# KiCad board DCDC_converter.kicad_pcb (continued)
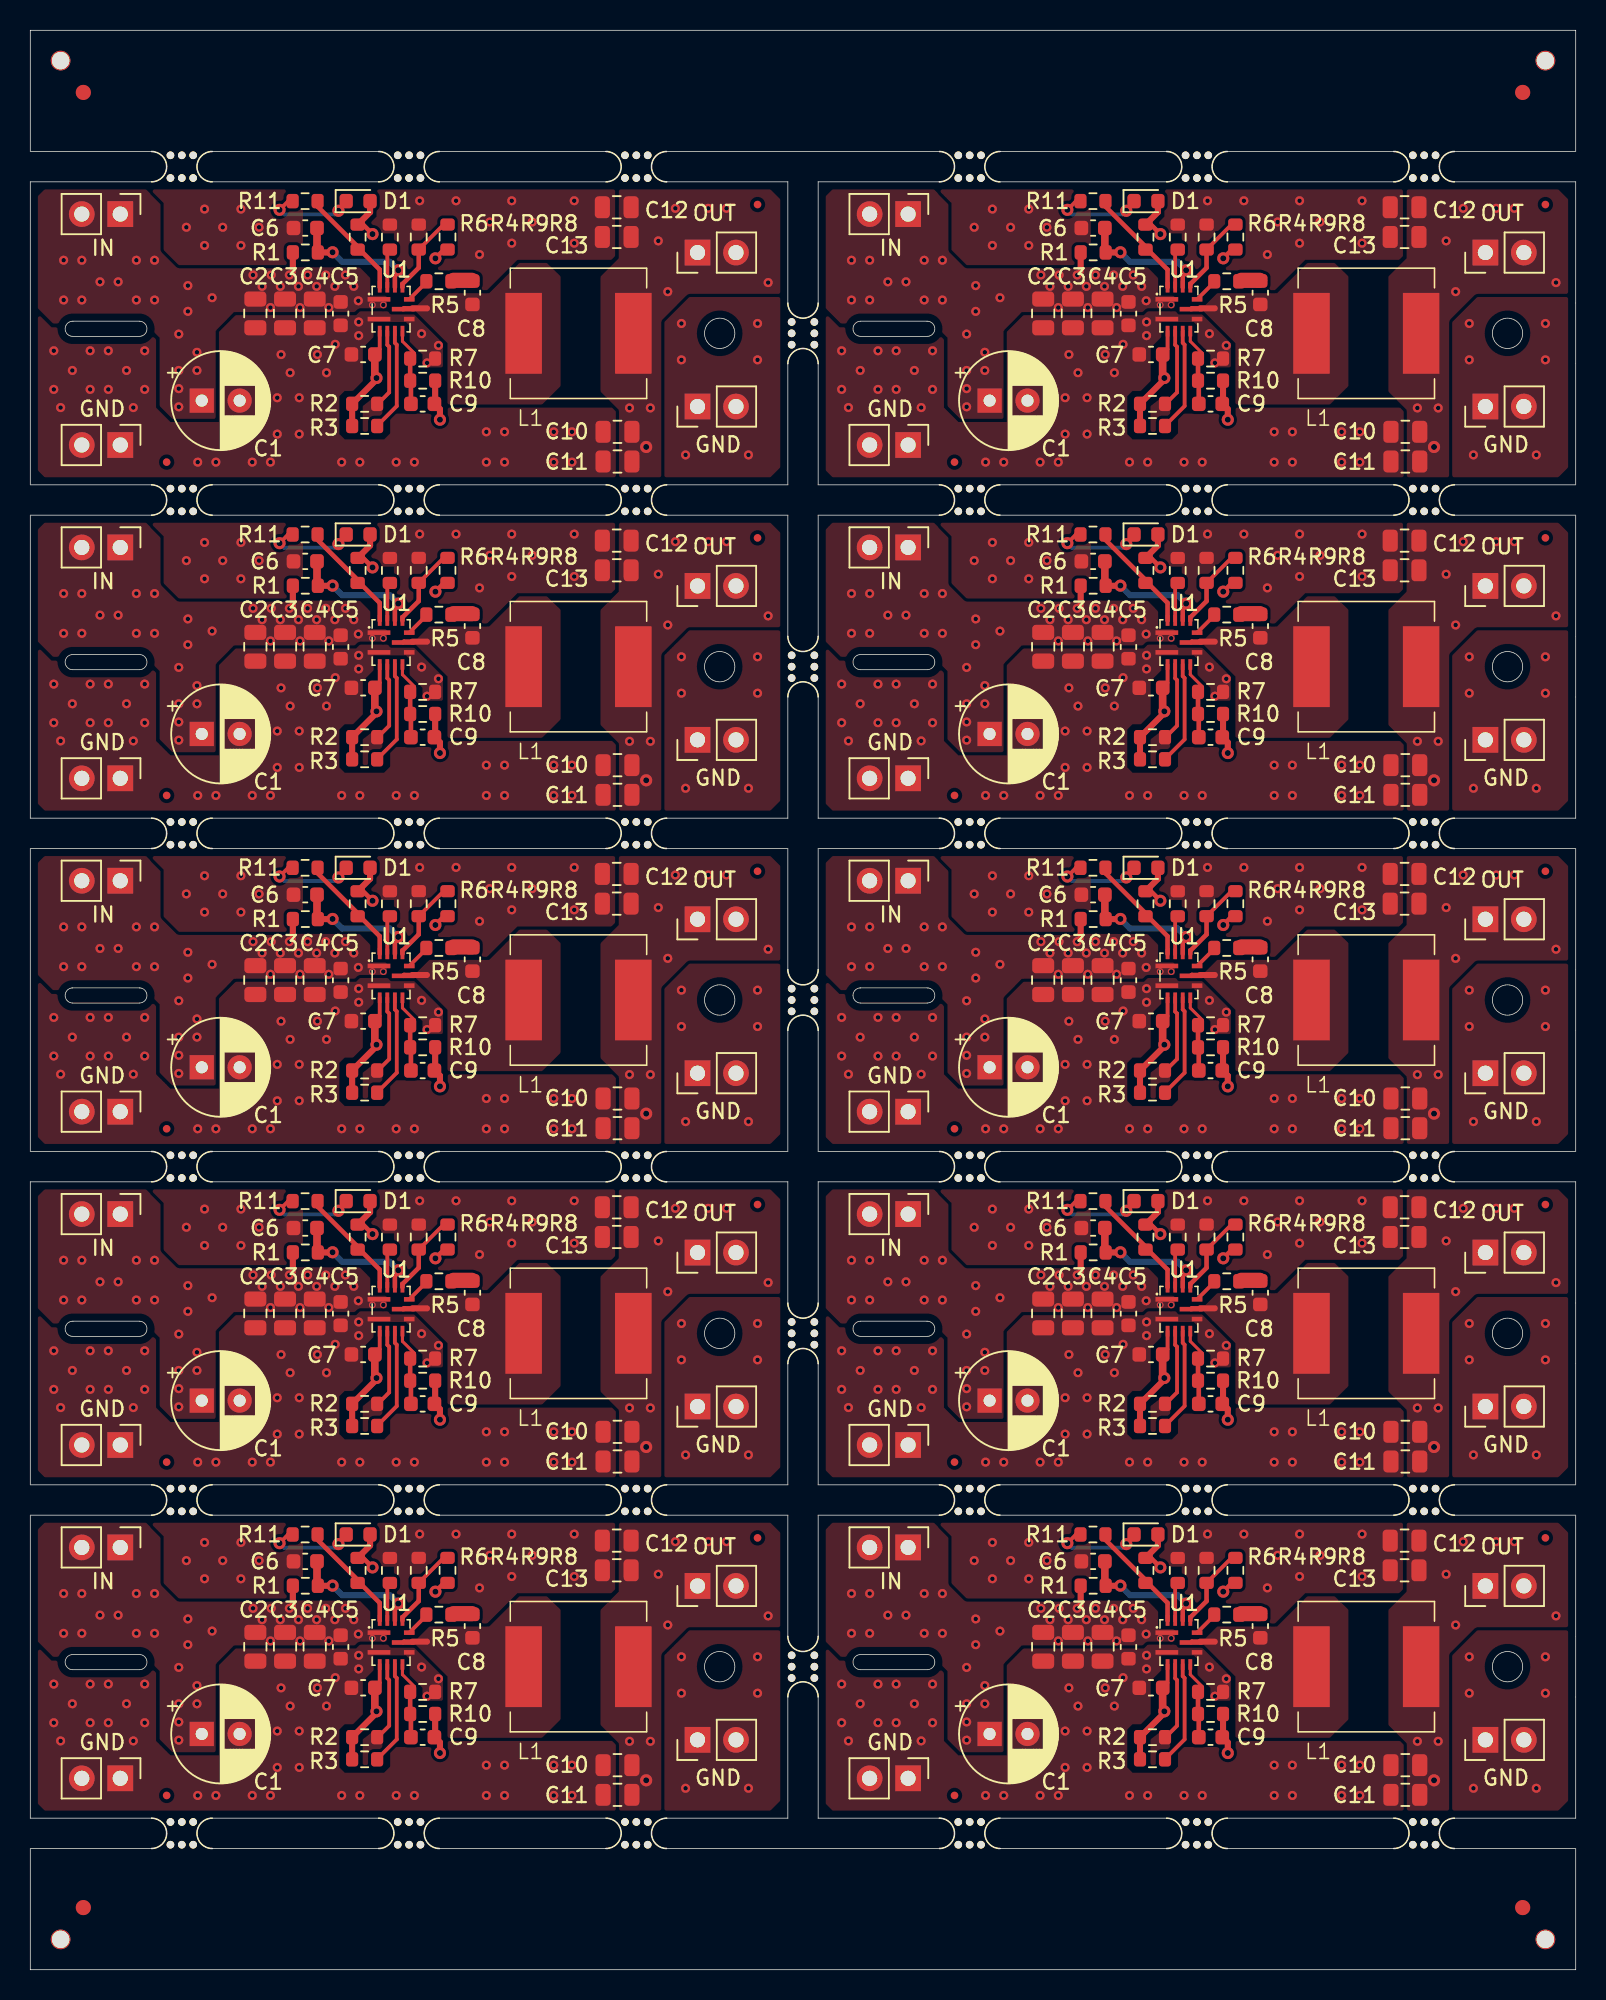
[diagram p0: board, top side]
## Routing (per net, layer and track width the routed paths; a pad name or vN(x,y) marks a point on that pad's centre or on a via; arc(x,y) is an arc through that point) (continued)
Net-(C8-Pad2): length 12.2
  Top w0.5: 29.12,23.44 29.14,23.45 ; 81.12,89.44 81.14,89.45 ; 81.12,45.44 81.14,45.45 ; 29.12,111.44 29.14,111.45 ; 29.12,45.44 29.14,45.45 ; 29.12,67.44 29.14,67.45 ; 81.12,23.44 81.14,23.45 ; 29.12,89.44 29.14,89.45 ; 81.12,111.44 81.14,111.45 ; 81.12,67.44 81.14,67.45
  Top w1: 79.94,67.5 81.14,67.5 ; 27.94,111.5 29.14,111.5 ; 27.94,89.5 29.14,89.5 ; 79.94,111.5 81.14,111.5 ; 79.94,89.5 81.14,89.5 ; 27.94,23.5 29.14,23.5 ; 27.94,67.5 29.14,67.5 ; 27.94,45.5 29.14,45.5 ; 79.94,23.5 81.14,23.5 ; 79.94,45.5 81.14,45.5
Net-(D1-K): length 60.6
  Top w0.25: 72.85,72.6 v3(72.34,72.09) ; v3(16.45,94.15) 17.03,94.72 ; 20.85,28.6 v3(20.34,28.09) ; 72.85,28.6 v3(72.34,28.09) ; 20.85,116.6 v3(20.34,116.09) ; v3(68.45,50.15) 69.03,50.72 ; v3(68.45,94.15) 69.03,94.72 ; 72.85,50.6 v3(72.34,50.09) ; 20.85,72.6 v3(20.34,72.09) ; v3(16.45,72.15) 17.03,72.72 ; v3(16.45,50.15) 17.03,50.72 ; 72.85,94.6 v3(72.34,94.09) ; v3(68.45,28.15) 69.03,28.72 ; v3(68.45,72.15) 69.03,72.72 ; v3(16.45,116.15) 17.03,116.72 ; 20.85,50.6 v3(20.34,50.09) ; 72.85,116.6 v3(72.34,116.09) ; v3(68.45,116.15) 69.03,116.72 ; 20.85,94.6 v3(20.34,94.09) ; v3(16.45,28.15) 17.03,28.72
  Top w0.3: D1#4.1 72.85,50.6 ; D1#8.1 72.85,116.6 ; 69.03,94.72 R11#4.1 ; D1.1 72.85,72.6 ; D1#10.1 20.85,94.6 ; D1#3.1 20.85,50.6 ; 69.03,72.72 R11#5.1 ; 17.03,28.72 R11#10.1 ; 69.03,116.72 R11#6.1 ; 17.03,94.72 R11#9.1 ; 69.03,28.72 R11#8.1 ; 69.03,50.72 R11#3.1 ; D1#6.1 20.85,28.6 ; 17.03,50.72 R11.1 ; D1#7.1 72.85,94.6 ; D1#9.1 20.85,116.6 ; D1#5.1 20.85,72.6 ; 17.03,116.72 R11#2.1 ; D1#2.1 72.85,28.6 ; 17.03,72.72 R11#7.1
  Bottom w0.25: v3(72.34,116.09) 72.1,115.85 68.75,115.85 68.6,116 ; v3(20.34,50.09) 20.1,49.85 16.75,49.85 16.6,50 ; 68.6,72 68.75,71.85 72.1,71.85 v3(72.34,72.09) ; v3(20.34,28.09) 20.1,27.85 16.75,27.85 16.6,28 ; v3(72.34,28.09) 72.1,27.85 68.75,27.85 68.6,28 ; 68.6,50 68.75,49.85 72.1,49.85 v3(72.34,50.09) ; 16.6,116 16.75,115.85 20.1,115.85 v3(20.34,116.09) ; v3(20.34,72.09) 20.1,71.85 16.75,71.85 16.6,72 ; v3(72.34,94.09) 72.1,93.85 68.75,93.85 68.6,94 ; 16.6,94 16.75,93.85 20.1,93.85 v3(20.34,94.09)
  Bottom w0.3: 16.6,94 v3(16.45,94.15) ; 68.6,50 v3(68.45,50.15) ; 68.6,72 v3(68.45,72.15) ; 16.6,116 v3(16.45,116.15) ; 68.6,116 v3(68.45,116.15) ; 16.6,72 v3(16.45,72.15) ; 16.6,50 v3(16.45,50.15) ; 16.6,28 v3(16.45,28.15) ; 68.6,28 v3(68.45,28.15) ; 68.6,94 v3(68.45,94.15)
Net-(U1-BST): length 16.6
  Top w0.25: R5#5.1 26.14,89.38 U1.9 ; R5.1 78.14,45.38 U1#3.9 ; U1#7.9 78.14,89.38 R5#10.1 ; U1#6.9 78.14,23.38 R5#8.1 ; R5#7.1 26.14,23.38 U1#9.9 ; R5#9.1 26.14,111.38 U1#10.9 ; U1#5.9 26.14,67.38 R5#4.1 ; U1#2.9 26.14,45.38 R5#2.1 ; U1#8.9 78.14,67.38 R5#3.1 ; U1#4.9 78.14,111.38 R5#6.1
Net-(U1-EN): length 89.7
  Top w0.25: v3(71.95,25.35) 71.63,25.35 ; v3(19.95,25.35) 19.63,25.35 ; v3(19.95,91.35) 19.63,91.35 ; v3(71.95,91.35) 71.63,91.35 ; v3(71.95,113.35) 71.63,113.35 ; v3(71.95,47.35) 71.63,47.35 ; v3(71.95,69.35) 71.63,69.35 ; v3(19.95,113.35) 19.63,113.35 ; v3(19.95,69.35) 19.63,69.35 ; v3(19.95,47.35) 19.63,47.35
  Top w0.3: U1#9.11 24.06,23.94 v3(24.29,24.16) ; v3(24.29,46.16) 24.06,45.94 U1#2.11 ; U1#8.11 76.06,67.94 v3(76.29,68.16) ; v3(76.29,112.16) 76.06,111.94 U1#4.11 ; v3(24.29,90.16) 24.06,89.94 U1.11 ; v3(24.29,68.16) 24.06,67.94 U1#5.11 ; U1#10.11 24.06,111.94 v3(24.29,112.16) ; U1#6.11 76.06,23.94 v3(76.29,24.16) ; v3(76.29,90.16) 76.06,89.94 U1#7.11 ; U1#3.11 76.06,45.94 v3(76.29,46.16)
  Top w0.4: R1#10.2 71.94,25.34 v3(71.95,25.35) ; v3(19.95,25.35) 19.94,25.34 R1.2 ; R1#3.2 19.94,113.34 v3(19.95,113.35) ; v3(71.95,91.35) 71.94,91.34 R1#6.2 ; R1#2.2 71.94,47.34 v3(71.95,47.35) ; v3(71.95,69.35) 71.94,69.34 R1#8.2 ; v3(19.95,91.35) 19.94,91.34 R1#4.2 ; R1#5.2 71.94,113.34 v3(71.95,113.35) ; v3(19.95,47.35) 19.94,47.34 R1#9.2 ; R1#7.2 19.94,69.34 v3(19.95,69.35)
  Top w0.5: R1#8.2 70.92,69.39 C6#10.1 ; C6#3.1 70.92,25.4 R1#10.2 ; C6#6.1 18.92,91.39 R1#4.2 ; C6#2.1 18.92,113.4 R1#3.2 ; R1#5.2 70.92,113.4 C6#7.1 ; C6#4.1 70.92,47.39 R1#2.2 ; R1#7.2 18.92,69.39 C6.1 ; R1.2 18.92,25.4 C6#8.1 ; C6#5.1 70.92,91.39 R1#6.2 ; C6#9.1 18.92,47.39 R1#9.2
  Bottom w0.4: v3(71.95,47.35) 72.58,46.72 75.73,46.72 v3(76.29,46.16) ; v3(19.95,113.35) 20.58,112.72 23.73,112.72 v3(24.29,112.16) ; v3(71.95,69.35) 72.58,68.72 75.73,68.72 v3(76.29,68.16) ; v3(76.29,90.16) 75.73,90.72 72.58,90.72 v3(71.95,91.35) ; v3(19.95,91.35) 20.58,90.72 23.73,90.72 v3(24.29,90.16) ; v3(76.29,112.16) 75.73,112.72 72.58,112.72 v3(71.95,113.35) ; v3(24.29,68.16) 23.73,68.72 20.58,68.72 v3(19.95,69.35) ; v3(71.95,25.35) 72.58,24.72 75.73,24.72 v3(76.29,24.16) ; v3(19.95,47.35) 20.58,46.72 23.73,46.72 v3(24.29,46.16) ; v3(24.29,24.16) 23.73,24.72 20.58,24.72 v3(19.95,25.35)
Net-(U1-FB): length 52.8
  Top w0.2: 77.09,18.35 77.09,18.4 77.34,18.65 77.34,18.7 76.56,19.47 U1#6.6 ; U1#10.6 24.56,107.47 25.34,106.7 25.34,106.65 25.09,106.4 25.09,106.35 ; 77.09,84.35 77.09,84.4 77.34,84.65 77.34,84.7 76.56,85.47 U1#7.6 ; U1#8.6 76.56,63.47 77.34,62.7 77.34,62.65 77.09,62.4 77.09,62.35 ; 25.09,62.35 25.09,62.4 25.34,62.65 25.34,62.7 24.56,63.47 U1#5.6 ; 25.09,84.35 25.09,84.4 25.34,84.65 25.34,84.7 24.56,85.47 U1.6 ; 77.09,106.35 77.09,106.4 77.34,106.65 77.34,106.7 76.56,107.47 U1#4.6 ; 25.09,40.35 25.09,40.4 25.34,40.65 25.34,40.7 24.56,41.47 U1#2.6 ; 77.09,40.35 77.09,40.4 77.34,40.65 77.34,40.7 76.56,41.47 U1#3.6 ; U1#9.6 24.56,19.47 25.34,18.7 25.34,18.65 25.09,18.4 25.09,18.35
  Top w0.3: 25.09,104.85 25.07,104.87 R7#6.1 ; 77.09,82.9 77.12,82.86 C9#3.2 ; 25.09,60.85 25.07,60.86 R7#7.1 ; 77.09,38.85 77.07,38.87 R7#3.1 ; C9#2.2 25.12,16.87 25.09,16.9 ; 25.09,60.9 25.12,60.86 C9#5.2 ; R7#9.1 25.07,38.87 25.09,38.85 ; R7#4.1 77.07,104.87 77.09,104.85 ; 77.09,16.85 77.07,16.87 R7#8.1 ; 77.09,16.9 77.12,16.87 C9#9.2 ; 25.09,82.85 25.07,82.86 R7#2.1 ; C9.2 77.12,104.87 77.09,104.9 ; R7#10.1 77.07,60.86 77.09,60.85 ; 77.09,60.9 77.12,60.86 C9#8.2 ; C9#4.2 25.12,38.87 25.09,38.9 ; R7#5.1 25.07,16.87 25.09,16.85 ; C9#6.2 77.12,38.87 77.09,38.9 ; R7.1 77.07,82.86 77.09,82.85 ; C9#10.2 25.12,104.87 25.09,104.9 ; C9#7.2 25.12,82.86 25.09,82.9
Net-(U1-ILIM): length 25.5
  Top w0.25: R4#8.1 75.56,47.36 U1#3.12 ; R4#4.1 75.56,69.36 U1#8.12 ; R4#3.1 23.56,113.35 U1#10.12 ; U1#6.12 75.56,25.35 R4#5.1 ; U1.12 23.56,91.36 R4.1 ; U1#5.12 23.56,69.36 R4#9.1 ; U1#2.12 23.56,47.36 R4#10.1 ; R4#6.1 23.56,25.35 U1#9.12 ; U1#4.12 75.56,113.35 R4#7.1 ; R4#2.1 75.56,91.36 U1#7.12
Net-(U1-MODE): length 56.3
  Top w0.25: 25.56,91.61 25.56,91.61 R9#5.1 27.29,93.18 R8#9.1 ; 77.56,91.61 77.56,91.61 R9#10.1 79.29,93.18 R8#6.1 ; 77.56,69.61 77.56,69.61 R9#6.1 79.29,71.18 R8#10.1 ; 25.56,47.61 25.56,47.61 R9#8.1 27.29,49.18 R8#4.1 ; 25.56,25.62 25.56,25.6 R9#4.1 27.29,27.18 R8#3.1 ; 77.56,47.61 77.56,47.61 R9.1 79.29,49.18 R8.1 ; 25.56,69.61 25.56,69.61 R9#2.1 27.29,71.18 R8#2.1 ; R8#5.1 27.29,115.18 R9#9.1 25.56,113.6 25.56,113.62 ; 77.56,25.62 77.56,25.6 R9#3.1 79.29,27.18 R8#8.1 ; R8#7.1 79.29,115.18 R9#7.1 77.56,113.6 77.56,113.62
  Top w0.3: R9#4.1 25.64,24.33 24.56,23.25 U1#9.10 ; U1#10.10 24.56,111.25 25.64,112.33 R9#9.1 ; U1#4.10 76.56,111.25 77.64,112.33 R9#7.1 ; U1#3.10 76.56,45.25 77.64,46.33 R9.1 ; U1#7.10 76.56,89.25 77.64,90.33 R9#10.1 ; R9#6.1 77.64,68.33 76.56,67.25 U1#8.10 ; R9#3.1 77.64,24.33 76.56,23.25 U1#6.10 ; U1#5.10 24.56,67.25 25.64,68.33 R9#2.1 ; R9#5.1 25.64,90.33 24.56,89.25 U1.10 ; U1#2.10 24.56,45.25 25.64,46.33 R9#8.1
Net-(U1-PG): length 75.2
  Top w0.25: R6#5.1 21.75,113.53 ; R6#3.1 73.75,113.53 ; R6#8.1 73.75,47.53 ; R6#10.1 21.75,25.53 ; R6#2.1 73.75,91.53 ; R6.1 73.75,69.53 ; R6#7.1 21.75,47.53 ; R6#9.1 21.75,91.53 ; R6#4.1 21.75,69.53 ; R6#6.1 73.75,25.53
  Top w0.3: U1#4.13 75.06,112.21 73.75,113.53 73.75,113.59 70.96,116.37 R11#6.2 ; R11#7.2 18.96,72.37 21.75,69.59 21.75,69.53 23.06,68.21 U1#5.13 ; R11#3.2 70.96,50.37 73.75,47.59 73.75,47.53 75.06,46.21 U1#3.13 ; U1.13 23.06,90.21 21.75,91.53 21.75,91.59 18.96,94.37 R11#9.2 ; R11#2.2 18.96,116.37 21.75,113.59 21.75,113.53 23.06,112.21 U1#10.13 ; U1#9.13 23.06,24.21 21.75,25.53 21.75,25.59 18.96,28.37 R11#10.2 ; U1#6.13 75.06,24.21 73.75,25.53 73.75,25.59 70.96,28.37 R11#8.2 ; R11#4.2 70.96,94.37 73.75,91.59 73.75,91.53 75.06,90.21 U1#7.13 ; U1#2.13 23.06,46.21 21.75,47.53 21.75,47.59 18.96,50.37 R11.2 ; U1#8.13 75.06,68.21 73.75,69.53 73.75,69.59 70.96,72.37 R11#5.2
Net-(U1-SW): length 15.9
  Top w0.3: U1#10.8 24.67,109.65 25.22,109.65 ; U1#2.8 24.67,43.65 25.22,43.65 ; U1.8 24.67,87.65 25.22,87.65 ; 77.22,43.65 76.67,43.65 U1#3.8 ; 77.22,87.65 76.67,87.65 U1#7.8 ; U1#9.8 24.67,21.65 25.22,21.65 ; 77.22,21.65 76.67,21.65 U1#6.8 ; 77.22,109.65 76.67,109.65 U1#4.8 ; U1#8.8 76.67,65.65 77.22,65.65 ; U1#5.8 24.67,65.65 25.22,65.65
  Top w0.4: 77.22,109.65 78.18,109.65 ; 77.22,65.65 78.18,65.65 ; 25.22,87.65 26.18,87.65 ; 77.22,43.65 78.18,43.65 ; 77.22,87.65 78.18,87.65 ; 77.22,21.65 78.18,21.65 ; 25.22,43.65 26.18,43.65 ; 25.22,21.65 26.18,21.65 ; 25.22,109.65 26.18,109.65 ; 25.22,65.65 26.18,65.65
Net-(U1-VSEL1): length 51.6
  Top w0.25: 74.94,15.35 75.69,16.1 75.69,19.11 75.56,19.24 U1#6.4 ; 74.94,59.35 75.69,60.1 75.69,63.11 75.56,63.24 U1#8.4 ; 22.94,15.35 23.69,16.1 23.69,19.11 23.56,19.24 U1#9.4 ; 74.94,81.35 75.69,82.1 75.69,85.11 75.56,85.24 U1#7.4 ; U1#5.4 23.56,63.24 23.69,63.11 23.69,60.1 22.94,59.35 ; 74.94,103.35 75.69,104.1 75.69,107.11 75.56,107.24 U1#4.4 ; U1#3.4 75.56,41.24 75.69,41.11 75.69,38.1 74.94,37.35 ; 22.94,103.35 23.69,104.1 23.69,107.11 23.56,107.24 U1#10.4 ; U1#2.4 23.56,41.24 23.69,41.11 23.69,38.1 22.94,37.35 ; 22.94,81.35 23.69,82.1 23.69,85.11 23.56,85.24 U1.4
Net-(U1-VSEL2): length 68.4
  Top w0.25: U1#3.5 76.06,41.37 76.19,41.25 76.19,37.2 74.89,35.9 ; 22.89,57.9 24.19,59.2 24.19,63.25 24.06,63.37 U1#5.5 ; 22.89,35.9 24.19,37.2 24.19,41.25 24.06,41.37 U1#2.5 ; 74.89,101.9 76.19,103.2 76.19,107.25 76.06,107.37 U1#4.5 ; 22.89,13.9 24.19,15.2 24.19,19.25 24.06,19.37 U1#9.5 ; U1#8.5 76.06,63.37 76.19,63.25 76.19,59.2 74.89,57.9 ; U1#10.5 24.06,107.37 24.19,107.25 24.19,103.2 22.89,101.9 ; 22.89,79.9 24.19,81.2 24.19,85.25 24.06,85.37 U1.5 ; 74.89,13.9 76.19,15.2 76.19,19.25 76.06,19.37 U1#6.5 ; 74.89,79.9 76.19,81.2 76.19,85.25 76.06,85.37 U1#7.5

## Copper pours and planes (outline as drawn; the poured copper is in the pictures)
+5V on Top, Bottom: 100.35,30 102,28.35 102,22.5 95.45,22.5 93.75,20.8 93.74,12.85 93.74,10 90.84,10 90.84,14.95 89.64,16.15 89.64,23.75 90.84,24.95 90.85,30.05
+5V on Top, Bottom: 100.35,96 102,94.35 102,88.5 95.45,88.5 93.75,86.8 93.74,78.85 93.74,76 90.84,76 90.84,80.95 89.64,82.15 89.64,89.75 90.84,90.95 90.85,96.05
+5V on Top, Bottom: 100.35,118 102,116.35 102,110.5 95.45,110.5 93.75,108.8 93.74,100.85 93.74,98 90.84,98 90.84,102.95 89.64,104.15 89.64,111.75 90.84,112.95 90.85,118.05
+5V on Top, Bottom: 100.35,74 102,72.35 102,66.5 95.45,66.5 93.75,64.8 93.74,56.85 93.74,54 90.84,54 90.84,58.95 89.64,60.15 89.64,67.75 90.84,68.95 90.85,74.05
+5V on Top, Bottom: 48.35,74 50,72.35 50,66.5 43.45,66.5 41.75,64.8 41.74,56.85 41.74,54 38.84,54 38.84,58.95 37.64,60.15 37.64,67.75 38.84,68.95 38.85,74.05
+5V on Top, Bottom: 100.35,52 102,50.35 102,44.5 95.45,44.5 93.75,42.8 93.74,34.85 93.74,32 90.84,32 90.84,36.95 89.64,38.15 89.64,45.75 90.84,46.95 90.85,52.05
+5V on Top, Bottom: 48.35,96 50,94.35 50,88.5 43.45,88.5 41.75,86.8 41.74,78.85 41.74,76 38.84,76 38.84,80.95 37.64,82.15 37.64,89.75 38.84,90.95 38.85,96.05
+5V on Top, Bottom: 48.35,52 50,50.35 50,44.5 43.45,44.5 41.75,42.8 41.74,34.85 41.74,32 38.84,32 38.84,36.95 37.64,38.15 37.64,45.75 38.84,46.95 38.85,52.05
+5V on Top, Bottom: 48.35,30 50,28.35 50,22.5 43.45,22.5 41.75,20.8 41.74,12.85 41.74,10 38.84,10 38.84,14.95 37.64,16.15 37.64,23.75 38.84,24.95 38.85,30.05
+5V on Top, Bottom: 48.35,118 50,116.35 50,110.5 43.45,110.5 41.75,108.8 41.74,100.85 41.74,98 38.84,98 38.84,102.95 37.64,104.15 37.64,111.75 38.84,112.95 38.85,118.05
+24V on Top: 9.39,14.35 12.24,14.35 12.24,20.15 13.44,21.4 21.44,21.4 21.64,21.6 23.54,21.6 23.54,22.47 22.44,22.47 22.44,23.65 21.75,24.35 9.7,24.4 8.6,25.5 8.6,28.55 7.14,30 1.44,30 0,28.55 0,22.15 1.5,20.65 7.59,20.65 8.54,19.71 8.54,15.2
+24V on Top: 9.39,102.35 12.24,102.35 12.24,108.15 13.44,109.4 21.44,109.4 21.64,109.6 23.54,109.6 23.54,110.47 22.44,110.47 22.44,111.65 21.75,112.35 9.7,112.4 8.6,113.5 8.6,116.55 7.14,118 1.44,118 0,116.55 0,110.15 1.5,108.65 7.59,108.65 8.54,107.71 8.54,103.2
+24V on Top: 9.39,80.35 12.24,80.35 12.24,86.15 13.44,87.4 21.44,87.4 21.64,87.6 23.54,87.6 23.54,88.47 22.44,88.47 22.44,89.65 21.75,90.35 9.7,90.4 8.6,91.5 8.6,94.55 7.14,96 1.44,96 0,94.55 0,88.15 1.5,86.65 7.59,86.65 8.54,85.71 8.54,81.2
+24V on Top: 9.39,36.35 12.24,36.35 12.24,42.15 13.44,43.4 21.44,43.4 21.64,43.6 23.54,43.6 23.54,44.47 22.44,44.47 22.44,45.65 21.75,46.35 9.7,46.4 8.6,47.5 8.6,50.55 7.14,52 1.44,52 0,50.55 0,44.15 1.5,42.65 7.59,42.65 8.54,41.71 8.54,37.2
+24V on Top: 61.39,58.35 64.24,58.35 64.24,64.15 65.44,65.4 73.44,65.4 73.64,65.6 75.54,65.6 75.54,66.47 74.44,66.47 74.44,67.65 73.75,68.35 61.7,68.4 60.6,69.5 60.6,72.55 59.14,74 53.44,74 52,72.55 52,66.15 53.5,64.65 59.59,64.65 60.54,63.71 60.54,59.2
+24V on Top: 61.39,36.35 64.24,36.35 64.24,42.15 65.44,43.4 73.44,43.4 73.64,43.6 75.54,43.6 75.54,44.47 74.44,44.47 74.44,45.65 73.75,46.35 61.7,46.4 60.6,47.5 60.6,50.55 59.14,52 53.44,52 52,50.55 52,44.15 53.5,42.65 59.59,42.65 60.54,41.71 60.54,37.2
+24V on Top: 9.39,58.35 12.24,58.35 12.24,64.15 13.44,65.4 21.44,65.4 21.64,65.6 23.54,65.6 23.54,66.47 22.44,66.47 22.44,67.65 21.75,68.35 9.7,68.4 8.6,69.5 8.6,72.55 7.14,74 1.44,74 0,72.55 0,66.15 1.5,64.65 7.59,64.65 8.54,63.71 8.54,59.2
+24V on Top: 61.39,80.35 64.24,80.35 64.24,86.15 65.44,87.4 73.44,87.4 73.64,87.6 75.54,87.6 75.54,88.47 74.44,88.47 74.44,89.65 73.75,90.35 61.7,90.4 60.6,91.5 60.6,94.55 59.14,96 53.44,96 52,94.55 52,88.15 53.5,86.65 59.59,86.65 60.54,85.71 60.54,81.2
+24V on Top: 61.39,14.35 64.24,14.35 64.24,20.15 65.44,21.4 73.44,21.4 73.64,21.6 75.54,21.6 75.54,22.47 74.44,22.47 74.44,23.65 73.75,24.35 61.7,24.4 60.6,25.5 60.6,28.55 59.14,30 53.44,30 52,28.55 52,22.15 53.5,20.65 59.59,20.65 60.54,19.71 60.54,15.2
+24V on Top: 61.39,102.35 64.24,102.35 64.24,108.15 65.44,109.4 73.44,109.4 73.64,109.6 75.54,109.6 75.54,110.47 74.44,110.47 74.44,111.65 73.75,112.35 61.7,112.4 60.6,113.5 60.6,116.55 59.14,118 53.44,118 52,116.55 52,110.15 53.5,108.65 59.59,108.65 60.54,107.71 60.54,103.2
+24V on Bottom: 61.39,36.35 64.24,36.35 64.24,42.15 65.44,43.4 75.59,43.4 75.6,45.95 75.2,46.35 61.7,46.4 60.6,47.5 60.6,50.55 59.14,52 53.44,52 52,50.55 52,44.15 53.5,42.65 59.59,42.65 60.54,41.71 60.54,37.2
+24V on Bottom: 9.39,36.35 12.24,36.35 12.24,42.15 13.44,43.4 23.59,43.4 23.6,45.95 23.2,46.35 9.7,46.4 8.6,47.5 8.6,50.55 7.14,52 1.44,52 0,50.55 0,44.15 1.5,42.65 7.59,42.65 8.54,41.71 8.54,37.2
+24V on Bottom: 9.39,58.35 12.24,58.35 12.24,64.15 13.44,65.4 23.59,65.4 23.6,67.95 23.2,68.35 9.7,68.4 8.6,69.5 8.6,72.55 7.14,74 1.44,74 0,72.55 0,66.15 1.5,64.65 7.59,64.65 8.54,63.71 8.54,59.2
+24V on Bottom: 9.39,14.35 12.24,14.35 12.24,20.15 13.44,21.4 23.59,21.4 23.6,23.95 23.2,24.35 9.7,24.4 8.6,25.5 8.6,28.55 7.14,30 1.44,30 0,28.55 0,22.15 1.5,20.65 7.59,20.65 8.54,19.71 8.54,15.2
+24V on Bottom: 61.39,14.35 64.24,14.35 64.24,20.15 65.44,21.4 75.59,21.4 75.6,23.95 75.2,24.35 61.7,24.4 60.6,25.5 60.6,28.55 59.14,30 53.44,30 52,28.55 52,22.15 53.5,20.65 59.59,20.65 60.54,19.71 60.54,15.2
+24V on Bottom: 9.39,102.35 12.24,102.35 12.24,108.15 13.44,109.4 23.59,109.4 23.6,111.95 23.2,112.35 9.7,112.4 8.6,113.5 8.6,116.55 7.14,118 1.44,118 0,116.55 0,110.15 1.5,108.65 7.59,108.65 8.54,107.71 8.54,103.2
+24V on Bottom: 9.39,80.35 12.24,80.35 12.24,86.15 13.44,87.4 23.59,87.4 23.6,89.95 23.2,90.35 9.7,90.4 8.6,91.5 8.6,94.55 7.14,96 1.44,96 0,94.55 0,88.15 1.5,86.65 7.59,86.65 8.54,85.71 8.54,81.2
+24V on Bottom: 61.39,80.35 64.24,80.35 64.24,86.15 65.44,87.4 75.59,87.4 75.6,89.95 75.2,90.35 61.7,90.4 60.6,91.5 60.6,94.55 59.14,96 53.44,96 52,94.55 52,88.15 53.5,86.65 59.59,86.65 60.54,85.71 60.54,81.2
+24V on Bottom: 61.39,102.35 64.24,102.35 64.24,108.15 65.44,109.4 75.59,109.4 75.6,111.95 75.2,112.35 61.7,112.4 60.6,113.5 60.6,116.55 59.14,118 53.44,118 52,116.55 52,110.15 53.5,108.65 59.59,108.65 60.54,107.71 60.54,103.2
+24V on Bottom: 61.39,58.35 64.24,58.35 64.24,64.15 65.44,65.4 75.59,65.4 75.6,67.95 75.2,68.35 61.7,68.4 60.6,69.5 60.6,72.55 59.14,74 53.44,74 52,72.55 52,66.15 53.5,64.65 59.59,64.65 60.54,63.71 60.54,59.2
GND on Top: 27.24,83.75 27.24,85.35 25.34,87.25 23.8,87.25 23.6,87.45 21.75,87.45 21.5,87.2 13.55,87.2 12.45,86.1 12.45,80.15 9.25,80.15 8.3,81.1 8.3,85.6 7.5,86.4 1.4,86.4 0,87.8 0,77.45 1.45,76 38.65,76 38.65,80.85 38.4,81.1 27.55,81.1 27.55,80.25 27.2,79.9 26.9,79.9 26.55,80.25 26.55,80.7 24.1,80.7 23.75,80.4 23.75,79.4 23.35,79 20.75,79 20.4,79.35 20.4,81.85 20.75,82.2 21.3,82.2 21.95,82.85 21.95,85.05 22.65,85.75 22.65,86.75 24.79,86.75 25.04,86.5 25.04,85.45 25.89,84.6 25.89,83.75
GND on Top: 38.6,118 38.6,113.1 38.35,112.85 32.15,112.85 30.15,110.85 27.7,110.85 27.65,112.15 25,112.2 24,111.2 24,114.6 23.15,114.6 22.45,115.3 22.85,115.7 22.85,118
GND on Top: 7.4,96 8.8,94.6 8.8,91.5 9.8,90.5 18,90.5 18,96
GND on Top: 59.4,118 60.8,116.6 60.8,113.5 61.8,112.5 70,112.5 70,118
GND on Top: 27.24,17.75 27.24,19.35 25.34,21.25 23.8,21.25 23.6,21.45 21.75,21.45 21.5,21.2 13.55,21.2 12.45,20.1 12.45,14.15 9.25,14.15 8.3,15.1 8.3,19.6 7.5,20.4 1.4,20.4 0,21.8 0,11.45 1.45,10 38.65,10 38.65,14.85 38.4,15.1 27.55,15.1 27.55,14.25 27.2,13.9 26.9,13.9 26.55,14.25 26.55,14.7 24.1,14.7 23.75,14.4 23.75,13.4 23.35,13 20.75,13 20.4,13.35 20.4,15.85 20.75,16.2 21.3,16.2 21.95,16.85 21.95,19.05 22.65,19.75 22.65,20.75 24.79,20.75 25.04,20.5 25.04,19.45 25.89,18.6 25.89,17.75
GND on Top: 7.4,74 8.8,72.6 8.8,69.5 9.8,68.5 18,68.5 18,74
GND on Top: 27.24,39.75 27.24,41.35 25.34,43.25 23.8,43.25 23.6,43.45 21.75,43.45 21.5,43.2 13.55,43.2 12.45,42.1 12.45,36.15 9.25,36.15 8.3,37.1 8.3,41.6 7.5,42.4 1.4,42.4 0,43.8 0,33.45 1.45,32 38.65,32 38.65,36.85 38.4,37.1 27.55,37.1 27.55,36.25 27.2,35.9 26.9,35.9 26.55,36.25 26.55,36.7 24.1,36.7 23.75,36.4 23.75,35.4 23.35,35 20.75,35 20.4,35.35 20.4,37.85 20.75,38.2 21.3,38.2 21.95,38.85 21.95,41.05 22.65,41.75 22.65,42.75 24.79,42.75 25.04,42.5 25.04,41.45 25.89,40.6 25.89,39.75
GND on Top: 7.4,118 8.8,116.6 8.8,113.5 9.8,112.5 18,112.5 18,118
GND on Top: 27.24,61.75 27.24,63.35 25.34,65.25 23.8,65.25 23.6,65.45 21.75,65.45 21.5,65.2 13.55,65.2 12.45,64.1 12.45,58.15 9.25,58.15 8.3,59.1 8.3,63.6 7.5,64.4 1.4,64.4 0,65.8 0,55.45 1.45,54 38.65,54 38.65,58.85 38.4,59.1 27.55,59.1 27.55,58.25 27.2,57.9 26.9,57.9 26.55,58.25 26.55,58.7 24.1,58.7 23.75,58.4 23.75,57.4 23.35,57 20.75,57 20.4,57.35 20.4,59.85 20.75,60.2 21.3,60.2 21.95,60.85 21.95,63.05 22.65,63.75 22.65,64.75 24.79,64.75 25.04,64.5 25.04,63.45 25.89,62.6 25.89,61.75
GND on Top: 79.24,39.75 79.24,41.35 77.34,43.25 75.8,43.25 75.6,43.45 73.75,43.45 73.5,43.2 65.55,43.2 64.45,42.1 64.45,36.15 61.25,36.15 60.3,37.1 60.3,41.6 59.5,42.4 53.4,42.4 52,43.8 52,33.45 53.45,32 90.65,32 90.65,36.85 90.4,37.1 79.55,37.1 79.55,36.25 79.2,35.9 78.9,35.9 78.55,36.25 78.55,36.7 76.1,36.7 75.75,36.4 75.75,35.4 75.35,35 72.75,35 72.4,35.35 72.4,37.85 72.75,38.2 73.3,38.2 73.95,38.85 73.95,41.05 74.65,41.75 74.65,42.75 76.79,42.75 77.04,42.5 77.04,41.45 77.89,40.6 77.89,39.75
GND on Top: 38.6,74 38.6,69.1 38.35,68.85 32.15,68.85 30.15,66.85 27.7,66.85 27.65,68.15 25,68.2 24,67.2 24,70.6 23.15,70.6 22.45,71.3 22.85,71.7 22.85,74
GND on Top: 38.6,30 38.6,25.1 38.35,24.85 32.15,24.85 30.15,22.85 27.7,22.85 27.65,24.15 25,24.2 24,23.2 24,26.6 23.15,26.6 22.45,27.3 22.85,27.7 22.85,30
GND on Top: 59.4,74 60.8,72.6 60.8,69.5 61.8,68.5 70,68.5 70,74
GND on Top: 90.6,118 90.6,113.1 90.35,112.85 84.15,112.85 82.15,110.85 79.7,110.85 79.65,112.15 77,112.2 76,111.2 76,114.6 75.15,114.6 74.45,115.3 74.85,115.7 74.85,118
GND on Top: 38.6,96 38.6,91.1 38.35,90.85 32.15,90.85 30.15,88.85 27.7,88.85 27.65,90.15 25,90.2 24,89.2 24,92.6 23.15,92.6 22.45,93.3 22.85,93.7 22.85,96
GND on Top: 79.24,17.75 79.24,19.35 77.34,21.25 75.8,21.25 75.6,21.45 73.75,21.45 73.5,21.2 65.55,21.2 64.45,20.1 64.45,14.15 61.25,14.15 60.3,15.1 60.3,19.6 59.5,20.4 53.4,20.4 52,21.8 52,11.45 53.45,10 90.65,10 90.65,14.85 90.4,15.1 79.55,15.1 79.55,14.25 79.2,13.9 78.9,13.9 78.55,14.25 78.55,14.7 76.1,14.7 75.75,14.4 75.75,13.4 75.35,13 72.75,13 72.4,13.35 72.4,15.85 72.75,16.2 73.3,16.2 73.95,16.85 73.95,19.05 74.65,19.75 74.65,20.75 76.79,20.75 77.04,20.5 77.04,19.45 77.89,18.6 77.89,17.75
GND on Top: 79.24,83.75 79.24,85.35 77.34,87.25 75.8,87.25 75.6,87.45 73.75,87.45 73.5,87.2 65.55,87.2 64.45,86.1 64.45,80.15 61.25,80.15 60.3,81.1 60.3,85.6 59.5,86.4 53.4,86.4 52,87.8 52,77.45 53.45,76 90.65,76 90.65,80.85 90.4,81.1 79.55,81.1 79.55,80.25 79.2,79.9 78.9,79.9 78.55,80.25 78.55,80.7 76.1,80.7 75.75,80.4 75.75,79.4 75.35,79 72.75,79 72.4,79.35 72.4,81.85 72.75,82.2 73.3,82.2 73.95,82.85 73.95,85.05 74.65,85.75 74.65,86.75 76.79,86.75 77.04,86.5 77.04,85.45 77.89,84.6 77.89,83.75
GND on Top: 59.4,30 60.8,28.6 60.8,25.5 61.8,24.5 70,24.5 70,30
GND on Top: 7.4,52 8.8,50.6 8.8,47.5 9.8,46.5 18,46.5 18,52
GND on Top: 59.4,52 60.8,50.6 60.8,47.5 61.8,46.5 70,46.5 70,52
GND on Top: 90.6,52 90.6,47.1 90.35,46.85 84.15,46.85 82.15,44.85 79.7,44.85 79.65,46.15 77,46.2 76,45.2 76,48.6 75.15,48.6 74.45,49.3 74.85,49.7 74.85,52
GND on Top: 7.4,30 8.8,28.6 8.8,25.5 9.8,24.5 18,24.5 18,30
GND on Top: 38.6,52 38.6,47.1 38.35,46.85 32.15,46.85 30.15,44.85 27.7,44.85 27.65,46.15 25,46.2 24,45.2 24,48.6 23.15,48.6 22.45,49.3 22.85,49.7 22.85,52
GND on Top: 90.6,30 90.6,25.1 90.35,24.85 84.15,24.85 82.15,22.85 79.7,22.85 79.65,24.15 77,24.2 76,23.2 76,26.6 75.15,26.6 74.45,27.3 74.85,27.7 74.85,30
GND on Top: 79.24,105.75 79.24,107.35 77.34,109.25 75.8,109.25 75.6,109.45 73.75,109.45 73.5,109.2 65.55,109.2 64.45,108.1 64.45,102.15 61.25,102.15 60.3,103.1 60.3,107.6 59.5,108.4 53.4,108.4 52,109.8 52,99.45 53.45,98 90.65,98 90.65,102.85 90.4,103.1 79.55,103.1 79.55,102.25 79.2,101.9 78.9,101.9 78.55,102.25 78.55,102.7 76.1,102.7 75.75,102.4 75.75,101.4 75.35,101 72.75,101 72.4,101.35 72.4,103.85 72.75,104.2 73.3,104.2 73.95,104.85 73.95,107.05 74.65,107.75 74.65,108.75 76.79,108.75 77.04,108.5 77.04,107.45 77.89,106.6 77.89,105.75
GND on Top: 79.24,61.75 79.24,63.35 77.34,65.25 75.8,65.25 75.6,65.45 73.75,65.45 73.5,65.2 65.55,65.2 64.45,64.1 64.45,58.15 61.25,58.15 60.3,59.1 60.3,63.6 59.5,64.4 53.4,64.4 52,65.8 52,55.45 53.45,54 90.65,54 90.65,58.85 90.4,59.1 79.55,59.1 79.55,58.25 79.2,57.9 78.9,57.9 78.55,58.25 78.55,58.7 76.1,58.7 75.75,58.4 75.75,57.4 75.35,57 72.75,57 72.4,57.35 72.4,59.85 72.75,60.2 73.3,60.2 73.95,60.85 73.95,63.05 74.65,63.75 74.65,64.75 76.79,64.75 77.04,64.5 77.04,63.45 77.89,62.6 77.89,61.75
GND on Top: 90.6,74 90.6,69.1 90.35,68.85 84.15,68.85 82.15,66.85 79.7,66.85 79.65,68.15 77,68.2 76,67.2 76,70.6 75.15,70.6 74.45,71.3 74.85,71.7 74.85,74
GND on Top: 59.4,96 60.8,94.6 60.8,91.5 61.8,90.5 70,90.5 70,96
GND on Top: 90.6,96 90.6,91.1 90.35,90.85 84.15,90.85 82.15,88.85 79.7,88.85 79.65,90.15 77,90.2 76,89.2 76,92.6 75.15,92.6 74.45,93.3 74.85,93.7 74.85,96
GND on Top: 27.24,105.75 27.24,107.35 25.34,109.25 23.8,109.25 23.6,109.45 21.75,109.45 21.5,109.2 13.55,109.2 12.45,108.1 12.45,102.15 9.25,102.15 8.3,103.1 8.3,107.6 7.5,108.4 1.4,108.4 0,109.8 0,99.45 1.45,98 38.65,98 38.65,102.85 38.4,103.1 27.55,103.1 27.55,102.25 27.2,101.9 26.9,101.9 26.55,102.25 26.55,102.7 24.1,102.7 23.75,102.4 23.75,101.4 23.35,101 20.75,101 20.4,101.35 20.4,103.85 20.75,104.2 21.3,104.2 21.95,104.85 21.95,107.05 22.65,107.75 22.65,108.75 24.79,108.75 25.04,108.5 25.04,107.45 25.89,106.6 25.89,105.75
GND on Top, Bottom: 50,55.65 48.35,54 41.85,54 41.85,64.75 43.5,66.4 50,66.4
GND on Top, Bottom: 50,11.65 48.35,10 41.85,10 41.85,20.75 43.5,22.4 50,22.4
GND on Top, Bottom: 102,11.65 100.35,10 93.85,10 93.85,20.75 95.5,22.4 102,22.4
GND on Top, Bottom: 50,33.65 48.35,32 41.85,32 41.85,42.75 43.5,44.4 50,44.4
GND on Top, Bottom: 102,33.65 100.35,32 93.85,32 93.85,42.75 95.5,44.4 102,44.4
GND on Top, Bottom: 102,99.65 100.35,98 93.85,98 93.85,108.75 95.5,110.4 102,110.4
GND on Top, Bottom: 50,99.65 48.35,98 41.85,98 41.85,108.75 43.5,110.4 50,110.4
GND on Top, Bottom: 102,55.65 100.35,54 93.85,54 93.85,64.75 95.5,66.4 102,66.4
GND on Top, Bottom: 50,77.65 48.35,76 41.85,76 41.85,86.75 43.5,88.4 50,88.4
GND on Top, Bottom: 102,77.65 100.35,76 93.85,76 93.85,86.75 95.5,88.4 102,88.4
GND on Bottom: 0,55.45 0,65.8 1.4,64.4 7.5,64.4 8.3,63.6 8.3,59.1 9.25,58.15 12.45,58.15 12.45,64.1 13.55,65.2 23.8,65.2 23.8,67.75 23.05,68.5 9.8,68.5 8.8,69.5 8.8,72.6 7.4,74 38.6,74 38.6,69 37.45,67.85 37.45,60.1 38.65,58.9 38.65,54 1.45,54
GND on Bottom: 52,11.45 52,21.8 53.4,20.4 59.5,20.4 60.3,19.6 60.3,15.1 61.25,14.15 64.45,14.15 64.45,20.1 65.55,21.2 75.8,21.2 75.8,23.75 75.05,24.5 61.8,24.5 60.8,25.5 60.8,28.6 59.4,30 90.6,30 90.6,25 89.45,23.85 89.45,16.1 90.65,14.9 90.65,10 53.45,10
GND on Bottom: 0,11.45 0,21.8 1.4,20.4 7.5,20.4 8.3,19.6 8.3,15.1 9.25,14.15 12.45,14.15 12.45,20.1 13.55,21.2 23.8,21.2 23.8,23.75 23.05,24.5 9.8,24.5 8.8,25.5 8.8,28.6 7.4,30 38.6,30 38.6,25 37.45,23.85 37.45,16.1 38.65,14.9 38.65,10 1.45,10
GND on Bottom: 0,77.45 0,87.8 1.4,86.4 7.5,86.4 8.3,85.6 8.3,81.1 9.25,80.15 12.45,80.15 12.45,86.1 13.55,87.2 23.8,87.2 23.8,89.75 23.05,90.5 9.8,90.5 8.8,91.5 8.8,94.6 7.4,96 38.6,96 38.6,91 37.45,89.85 37.45,82.1 38.65,80.9 38.65,76 1.45,76
GND on Bottom: 52,99.45 52,109.8 53.4,108.4 59.5,108.4 60.3,107.6 60.3,103.1 61.25,102.15 64.45,102.15 64.45,108.1 65.55,109.2 75.8,109.2 75.8,111.75 75.05,112.5 61.8,112.5 60.8,113.5 60.8,116.6 59.4,118 90.6,118 90.6,113 89.45,111.85 89.45,104.1 90.65,102.9 90.65,98 53.45,98
GND on Bottom: 52,33.45 52,43.8 53.4,42.4 59.5,42.4 60.3,41.6 60.3,37.1 61.25,36.15 64.45,36.15 64.45,42.1 65.55,43.2 75.8,43.2 75.8,45.75 75.05,46.5 61.8,46.5 60.8,47.5 60.8,50.6 59.4,52 90.6,52 90.6,47 89.45,45.85 89.45,38.1 90.65,36.9 90.65,32 53.45,32
GND on Bottom: 0,99.45 0,109.8 1.4,108.4 7.5,108.4 8.3,107.6 8.3,103.1 9.25,102.15 12.45,102.15 12.45,108.1 13.55,109.2 23.8,109.2 23.8,111.75 23.05,112.5 9.8,112.5 8.8,113.5 8.8,116.6 7.4,118 38.6,118 38.6,113 37.45,111.85 37.45,104.1 38.65,102.9 38.65,98 1.45,98
GND on Bottom: 0,33.45 0,43.8 1.4,42.4 7.5,42.4 8.3,41.6 8.3,37.1 9.25,36.15 12.45,36.15 12.45,42.1 13.55,43.2 23.8,43.2 23.8,45.75 23.05,46.5 9.8,46.5 8.8,47.5 8.8,50.6 7.4,52 38.6,52 38.6,47 37.45,45.85 37.45,38.1 38.65,36.9 38.65,32 1.45,32
GND on Bottom: 52,55.45 52,65.8 53.4,64.4 59.5,64.4 60.3,63.6 60.3,59.1 61.25,58.15 64.45,58.15 64.45,64.1 65.55,65.2 75.8,65.2 75.8,67.75 75.05,68.5 61.8,68.5 60.8,69.5 60.8,72.6 59.4,74 90.6,74 90.6,69 89.45,67.85 89.45,60.1 90.65,58.9 90.65,54 53.45,54
GND on Bottom: 52,77.45 52,87.8 53.4,86.4 59.5,86.4 60.3,85.6 60.3,81.1 61.25,80.15 64.45,80.15 64.45,86.1 65.55,87.2 75.8,87.2 75.8,89.75 75.05,90.5 61.8,90.5 60.8,91.5 60.8,94.6 59.4,96 90.6,96 90.6,91 89.45,89.85 89.45,82.1 90.65,80.9 90.65,76 53.45,76
GND on In1.Cu, In2.Cu: 52,118 102,118 102,98 52,98
GND on In1.Cu, In2.Cu: 0,74 50,74 50,54 0,54
GND on In1.Cu, In2.Cu: 52,96 102,96 102,76 52,76
GND on In1.Cu, In2.Cu: 0,30 50,30 50,10 0,10
GND on In1.Cu, In2.Cu: 0,118 50,118 50,98 0,98
GND on In1.Cu, In2.Cu: 52,30 102,30 102,10 52,10
GND on In1.Cu, In2.Cu: 52,52 102,52 102,32 52,32
GND on In1.Cu, In2.Cu: 52,74 102,74 102,54 52,54
GND on In1.Cu, In2.Cu: 0,96 50,96 50,76 0,76
GND on In1.Cu, In2.Cu: 0,52 50,52 50,32 0,32
Net-(U1-SW) on Top: 35,23.76 35,16.52 33.78,15.3 27.54,15.3 27.54,19.35 25.44,21.45 25.44,21.75 26.34,22.65 30.29,22.65 32.29,24.65 34.08,24.66
Net-(U1-SW) on Top: 35,67.76 35,60.52 33.78,59.3 27.54,59.3 27.54,63.35 25.44,65.45 25.44,65.75 26.34,66.65 30.29,66.65 32.29,68.65 34.08,68.66
Net-(U1-SW) on Top: 87,67.76 87,60.52 85.78,59.3 79.54,59.3 79.54,63.35 77.44,65.45 77.44,65.75 78.34,66.65 82.29,66.65 84.29,68.65 86.08,68.66
Net-(U1-SW) on Top: 35,89.76 35,82.52 33.78,81.3 27.54,81.3 27.54,85.35 25.44,87.45 25.44,87.75 26.34,88.65 30.29,88.65 32.29,90.65 34.08,90.66
Net-(U1-SW) on Top: 87,23.76 87,16.52 85.78,15.3 79.54,15.3 79.54,19.35 77.44,21.45 77.44,21.75 78.34,22.65 82.29,22.65 84.29,24.65 86.08,24.66
Net-(U1-SW) on Top: 35,111.76 35,104.52 33.78,103.3 27.54,103.3 27.54,107.35 25.44,109.45 25.44,109.75 26.34,110.65 30.29,110.65 32.29,112.65 34.08,112.66
Net-(U1-SW) on Top: 87,111.76 87,104.52 85.78,103.3 79.54,103.3 79.54,107.35 77.44,109.45 77.44,109.75 78.34,110.65 82.29,110.65 84.29,112.65 86.08,112.66
Net-(U1-SW) on Top: 35,45.76 35,38.52 33.78,37.3 27.54,37.3 27.54,41.35 25.44,43.45 25.44,43.75 26.34,44.65 30.29,44.65 32.29,46.65 34.08,46.66
Net-(U1-SW) on Top: 87,89.76 87,82.52 85.78,81.3 79.54,81.3 79.54,85.35 77.44,87.45 77.44,87.75 78.34,88.65 82.29,88.65 84.29,90.65 86.08,90.66
Net-(U1-SW) on Top: 87,45.76 87,38.52 85.78,37.3 79.54,37.3 79.54,41.35 77.44,43.45 77.44,43.75 78.34,44.65 82.29,44.65 84.29,46.65 86.08,46.66
Net-(U1-VSEL1) on Top: 75.24,37.7 75.24,35.5 73.94,35.5 73.94,37.2 74.59,37.7
Net-(U1-VSEL1) on Top: 23.24,59.7 23.24,57.5 21.94,57.5 21.94,59.2 22.59,59.7
Net-(U1-VSEL1) on Top: 23.24,103.7 23.24,101.5 21.94,101.5 21.94,103.2 22.59,103.7
Net-(U1-VSEL1) on Top: 75.24,59.7 75.24,57.5 73.94,57.5 73.94,59.2 74.59,59.7
Net-(U1-VSEL1) on Top: 23.24,15.7 23.24,13.5 21.94,13.5 21.94,15.2 22.59,15.7
Net-(U1-VSEL1) on Top: 75.24,81.7 75.24,79.5 73.94,79.5 73.94,81.2 74.59,81.7
Net-(U1-VSEL1) on Top: 23.24,37.7 23.24,35.5 21.94,35.5 21.94,37.2 22.59,37.7
Net-(U1-VSEL1) on Top: 23.24,81.7 23.24,79.5 21.94,79.5 21.94,81.2 22.59,81.7
Net-(U1-VSEL1) on Top: 75.24,15.7 75.24,13.5 73.94,13.5 73.94,15.2 74.59,15.7
Net-(U1-VSEL1) on Top: 75.24,103.7 75.24,101.5 73.94,101.5 73.94,103.2 74.59,103.7

## Text on the board
F.Silkscreen: GND | IN | OUT
